# Altium PCB BW1097.PcbDoc (part 6 of 7)
Units mil, origin at the board's own origin, x right, y up, seen from the top; angles counter-clockwise.
Board outline 4330.71 x 2362.21 mil, 6 copper layers (Top Copper, Signal Layer 1, Signal Layer 2, Signal Layer 3, Signal Layer 4, Bottom Copper), stack 62.873 mil thick; 270 components, 263 nets, 1210 pads, 777 vias.
Unrouted connection lines stored in the file: 24.
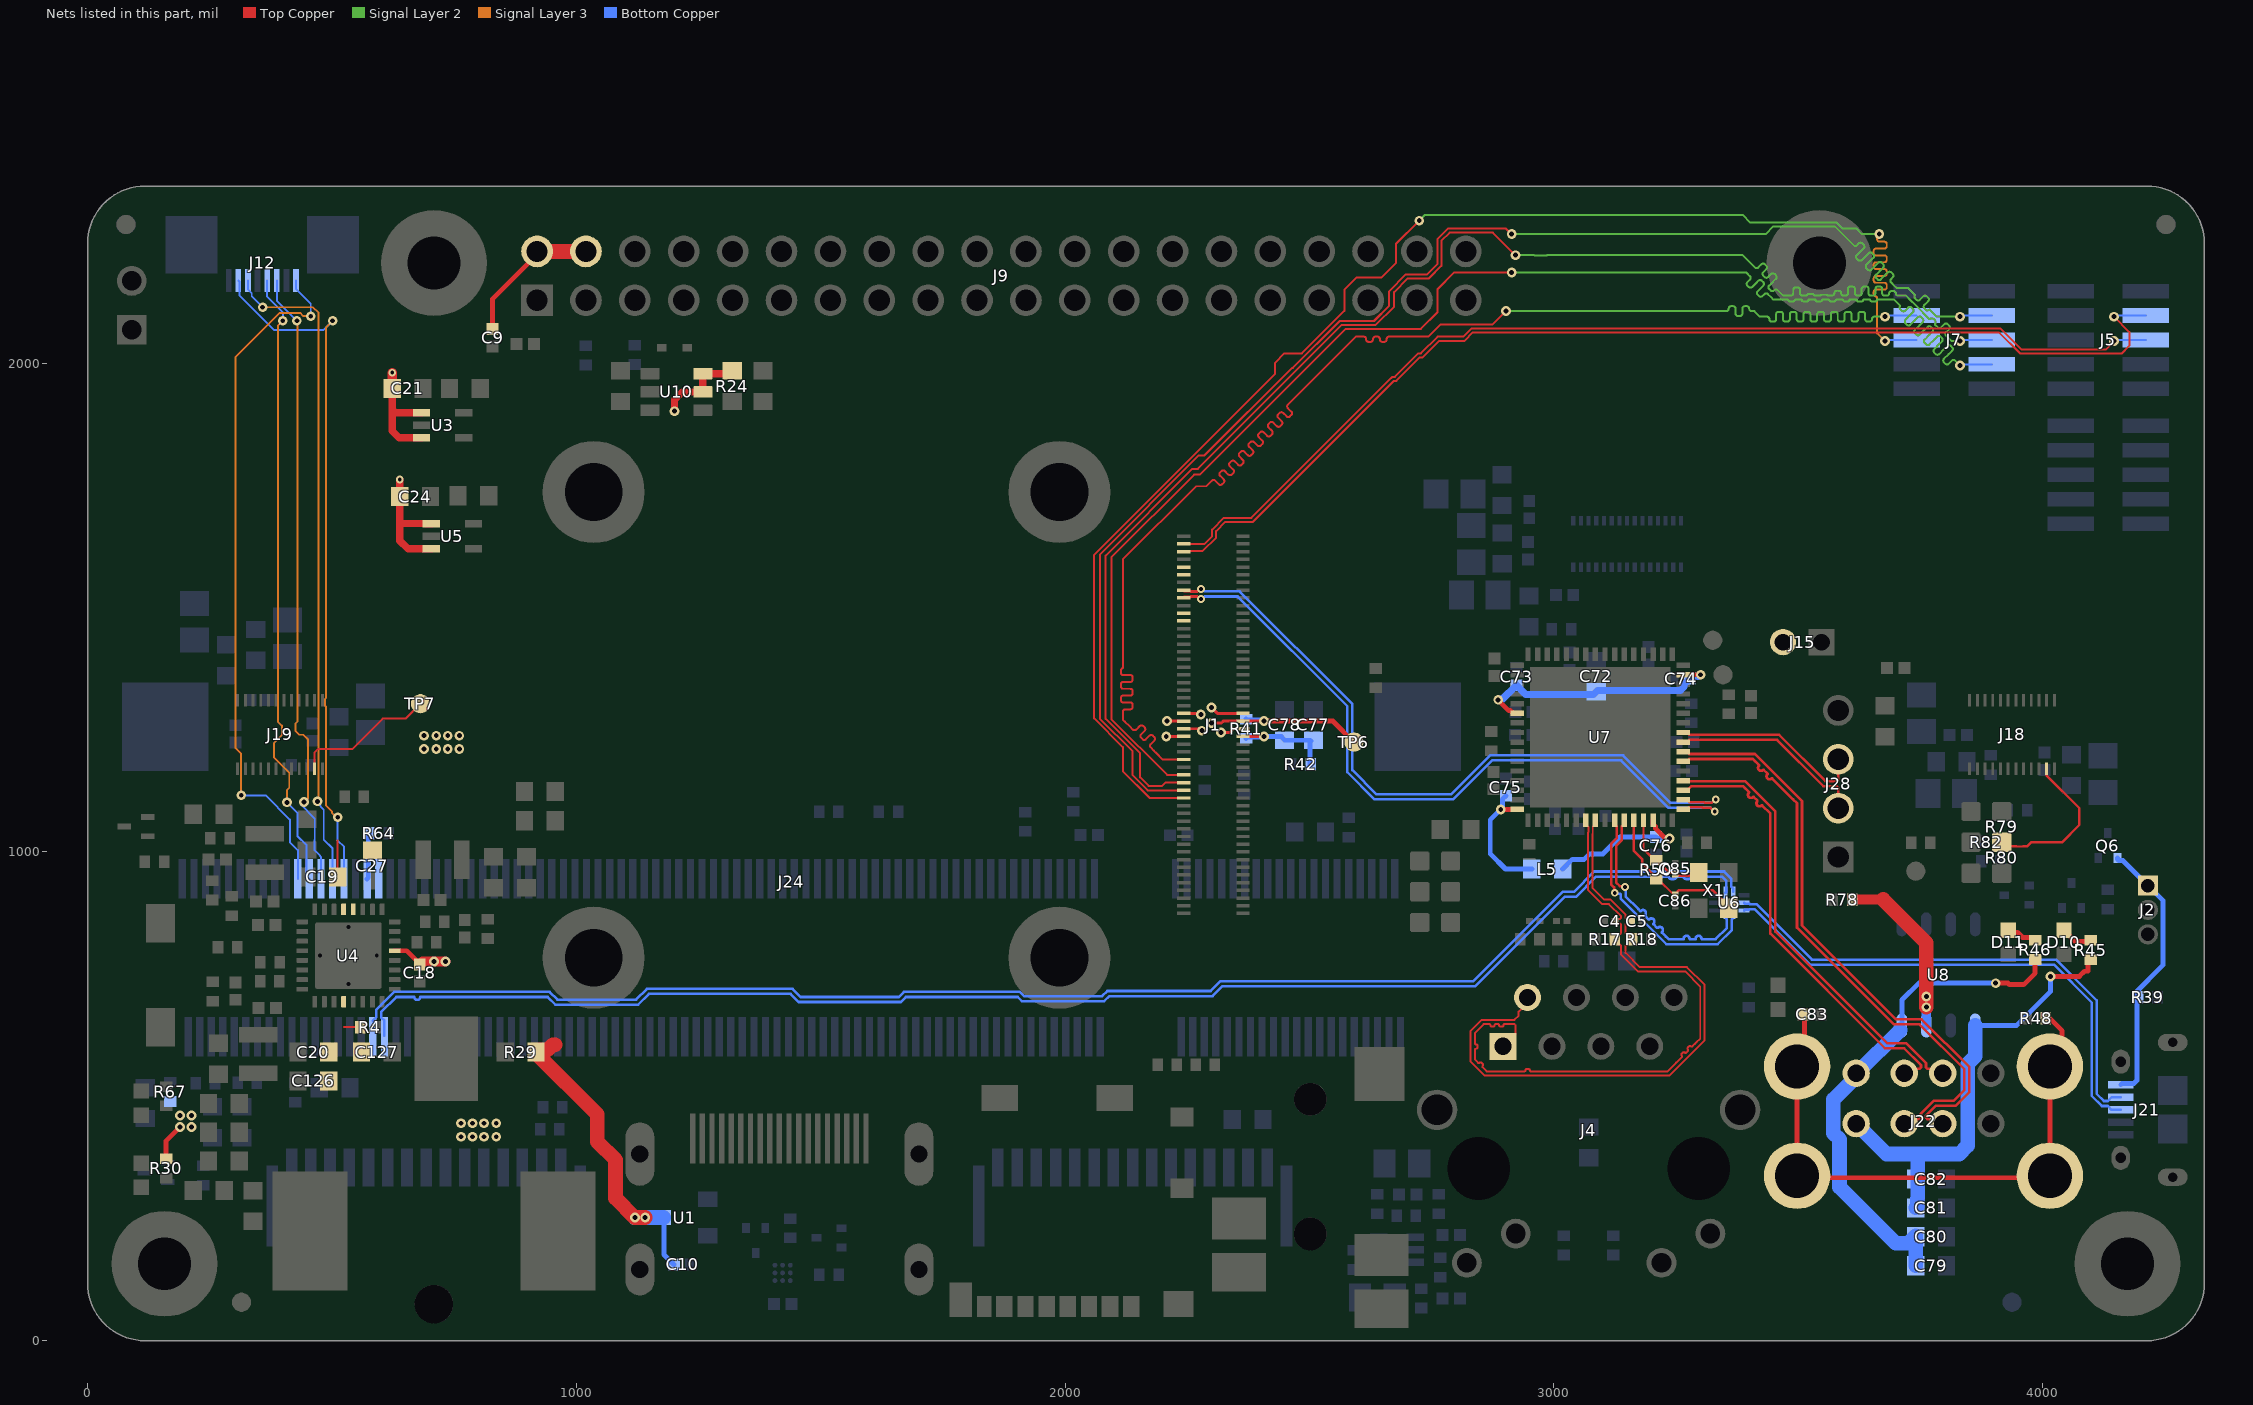
[diagram p10: the nets of this part, all layers, seen from the top]

## Via types
v1: diameter 20, hole 10, Top Copper to Bottom Copper, tented both sides, 657 vias
v2: diameter 16, hole 8, Top Copper to Bottom Copper, tented both sides, 102 vias
v3: diameter 20, hole 10, Top Copper to Bottom Copper, 16 vias
v4: diameter 62.99/0/0/0/0/62.99 (per signal layer), hole 62.99, Top Copper to Bottom Copper, 1 vias
v5: diameter 43.31/50/50/50/50/43.31 (per signal layer), hole 43.31, Top Copper to Bottom Copper, 1 vias

## Nets (pads, with @x,y where several pads share a name; then routed paths per layer and width w, separated by ;. In a path a pad name is that pad's centre, name@x,y a point inside that pad or via, vN(x,y) a via of type N, cw(c..) or ccw(c..) an arc to the next point about the centre after c; other vN are vias at no path point) (continued)
SPI_SIO1: J1.64 J7.4 | length 3061.7
  Top Copper w4: J1.64@2242.52,1157.48 2208.73,1157.48 2094.49,1271.72 2094.49,1602.36 2263.78,1771.65 2275.59,1771.65 2573.99,2070.05 2727.53,2070.05 2761.7,2104.22 2761.7,2151.46 2795.4,2185.17 2913.26,2185.17 v1(2913.39,2185.04)
  Signal Layer 2 w4: v1(2913.39,2185.04) 3393.7,2185.04 3394.5,2184.24 3400.93,2177.81 cw(c3397.47,2174.34) 3400.93,2170.88 3395.57,2165.52 ccw(c3399.04,2162.05) 3395.57,2158.59 3398.54,2155.62 ccw(c3402.01,2159.08) 3405.47,2155.62 3414.3,2164.44 3418.24,2168.38 cw(c3421.7,2164.92) 3425.17,2168.38 3428.14,2165.41 cw(c3424.67,2161.95) 3428.14,2158.48 3424.2,2154.54 3416.57,2146.92 ccw(c3420.04,2143.45) 3416.57,2139.99 3419.54,2137.02 ccw(c3423.01,2140.48) 3426.47,2137.02 3430.63,2141.18 ; 3430.63,2141.18 cw(c3434.1,2137.71) 3437.56,2141.18 3444,2134.75 3448.95,2129.8 3450.8,2129.8 3464.8,2129.8 3478.8,2129.8 ccw(c3482.48,2129.8) 3482.48,2126.11 3489.11,2126.11 ccw(c3489.11,2129.8) 3492.8,2129.8 3506.8,2129.8 ccw(c3510.48,2129.8) 3510.48,2126.11 3517.11,2126.11 ccw(c3517.11,2129.8) 3520.8,2129.8 3534.8,2129.8 ccw(c3538.48,2129.8) 3538.48,2126.11 3545.11,2126.11 ccw(c3545.11,2129.8) 3548.8,2129.8 3562.8,2129.8 ccw(c3566.48,2129.8) 3566.48,2126.11 3573.11,2126.11 ccw(c3573.11,2129.8) 3576.8,2129.8 3590.8,2129.8 ccw(c3594.48,2129.8) 3594.48,2126.11 3601.11,2126.11 ccw(c3601.11,2129.8) 3604.8,2129.8 3618.8,2129.8 ccw(c3622.48,2129.8) 3622.48,2126.11 3629.11,2126.11 ccw(c3629.11,2129.8) 3632.8,2129.8 3646.8,2129.8 ccw(c3650.48,2129.8) 3650.48,2126.11 3657.11,2126.11 ccw(c3657.11,2129.8) 3660.8,2129.8 3674.8,2129.8 3688.8,2129.8 3695.8,2129.8 3698.5,2127.09 3708.4,2117.19 ccw(c3711.86,2113.73) 3708.4,2110.26 3711.37,2107.29 ccw(c3714.83,2110.76) 3718.3,2107.29 3724.55,2113.54 cw(c3728.01,2110.07) 3731.48,2113.54 3734.45,2110.57 cw(c3730.98,2107.1) 3734.45,2103.64 3728.2,2097.39 3719.07,2088.26 ccw(c3722.53,2084.79) 3719.07,2081.33 3722.04,2078.36 ccw(c3725.5,2081.82) 3728.97,2078.36 3738.1,2087.49 3744.35,2093.74 cw(c3747.81,2090.27) 3751.28,2093.74 3754.25,2090.77 cw(c3750.78,2087.3) 3754.25,2083.84 3748,2077.59 3738.29,2067.89 ccw(c3741.76,2064.42) 3738.29,2060.96 3741.26,2057.99 ccw(c3744.73,2061.45) 3748.19,2057.99 3757.9,2067.69 3764.14,2073.94 cw(c3767.61,2070.48) 3771.07,2073.94 3774.04,2070.97 cw(c3770.58,2067.51) 3774.04,2064.04 3767.8,2057.79 3758.09,2048.09 ccw(c3761.56,2044.62) 3758.09,2041.16 3761.06,2038.19 ccw(c3764.53,2041.65) 3767.99,2038.19 3777.7,2047.89 3783.94,2054.14 cw(c3787.41,2050.68) 3790.87,2054.14 3793.84,2051.17 cw(c3790.38,2047.71) 3793.84,2044.24 3787.6,2037.99 3777.89,2028.29 ccw(c3781.35,2024.82) 3777.89,2021.36 3780.86,2018.39 ccw(c3784.32,2021.85) 3787.79,2018.39 3797.5,2028.1 3804.62,2035.22 cw(c3808.09,2031.76) 3811.55,2035.22 3814.52,2032.25 cw(c3811.06,2028.79) 3814.52,2025.32 3807.4,2018.2 3797.69,2008.49 ccw(c3801.15,2005.02) 3797.69,2001.56 3800.66,1998.59 ccw(c3804.12,2002.06) 3807.59,1998.59 3813.83,2004.83 cw(c3817.29,2001.37) 3820.76,2004.83 3822.24,2003.35 v1(3830.71,1994.88)
  Bottom Copper w4: v1(3830.71,1994.88) 3833.07,1997.24 J7.4@3895.67,1997.24
SPI_SIO2: J1.66 J7.6 | length 3062.6
  Top Copper w4: J1.66@2242.52,1141.73 2204.75,1141.73 2198.27,1135.25 2170.73,1135.25 2153.54,1152.44 2153.54,1201.36 2082.68,1272.22 2082.68,1606.3 2259.84,1783.46 2271.65,1783.46 2566.24,2078.05 2635.13,2078.05 2672.73,2115.66 2672.73,2145.17 2700.98,2173.42 2744.29,2173.42 2769.83,2198.97 2769.83,2250.15 2786.51,2266.83 2874.91,2266.83 v1(2921.01,2220.72)
  Signal Layer 2 w4: v1(2921.01,2220.72) 2959.38,2220.72 2959.64,2220.47 2985.25,2220.47 2985.5,2220.72 3386.08,2220.72 3405.76,2201.04 3411.1,2195.71 ccw(c3414.56,2199.17) 3418.03,2195.71 3424.41,2202.09 cw(c3427.87,2198.62) 3431.33,2202.09 3434.3,2199.12 cw(c3430.84,2195.65) 3434.3,2192.19 3427.93,2185.81 ccw(c3431.39,2182.34) 3427.93,2178.88 3430.9,2175.91 ccw(c3434.36,2179.37) 3437.82,2175.91 3444.2,2182.29 cw(c3447.67,2178.82) 3451.13,2182.29 3454.1,2179.32 cw(c3450.64,2175.85) 3454.1,2172.39 3444.26,2162.54 3440.15,2158.43 ccw(c3443.61,2154.97) 3440.15,2151.5 3443.12,2148.53 ccw(c3446.58,2152) 3450.05,2148.53 3450.69,2149.18 cw(c3454.16,2145.71) 3457.62,2149.18 3464.06,2142.75 3469.01,2137.8 3475.47,2137.8 3484.57,2137.8 ccw(c3484.57,2142.7) 3489.47,2142.7 3489.47,2149.77 cw(c3494.37,2149.77) 3494.37,2154.67 3498.57,2154.67 cw(c3498.57,2149.77) 3503.47,2149.77 3503.47,2142.7 ccw(c3508.37,2142.7) 3508.37,2137.8 3517.47,2137.8 cw(c3521.11,2137.8) 3521.11,2141.44 3527.83,2141.44 cw(c3527.83,2137.8) 3531.47,2137.8 3545.47,2137.8 cw(c3547.48,2137.8) 3547.48,2139.8 3557.47,2139.8 cw(c3557.47,2137.8) 3559.47,2137.8 3568.57,2137.8 ccw(c3568.57,2142.7) 3573.47,2142.7 3573.47,2143.02 cw(c3578.37,2143.02) 3578.37,2147.92 3582.57,2147.92 cw(c3582.57,2143.02) 3587.47,2143.02 3587.47,2142.7 ccw(c3592.37,2142.7) 3592.37,2137.8 3596.57,2137.8 ccw(c3596.57,2142.7) 3601.47,2142.7 3601.47,2151.72 cw(c3606.37,2151.72) 3606.37,2156.62 3610.57,2156.62 cw(c3610.57,2151.72) 3615.47,2151.72 3615.47,2142.7 ccw(c3620.37,2142.7) 3620.37,2137.8 3624.57,2137.8 ccw(c3624.57,2142.7) 3629.47,2142.7 3629.47,2151.72 cw(c3634.37,2151.72) 3634.37,2156.62 3638.57,2156.62 cw(c3638.57,2151.72) 3643.47,2151.72 3643.47,2142.7 ccw(c3648.37,2142.7) 3648.37,2137.8 3652.57,2137.8 ccw(c3652.57,2142.7) 3657.47,2142.7 3657.47,2151.72 cw(c3662.37,2151.72) 3662.37,2156.62 3666.57,2156.62 cw(c3666.57,2151.72) 3671.47,2151.72 3671.47,2142.7 ccw(c3676.37,2142.7) 3676.37,2137.8 3681.03,2137.8 ccw(c3681.03,2142.24) 3685.47,2142.24 cw(c3690.37,2142.24) 3690.37,2147.14 3694.57,2147.14 cw(c3694.57,2142.24) 3699.47,2142.24 ccw(c3703.92,2142.24) 3703.92,2137.8 3713.47,2137.8 3720.47,2137.8 3729.24,2129.03 3739.14,2119.13 3749.04,2109.23 3758.94,2099.33 3768.12,2090.15 ccw(c3768.84,2090.87) 3769.56,2090.15 cw(c3773.02,2086.69) 3776.49,2090.15 3779.46,2087.18 cw(c3775.99,2083.72) 3779.46,2080.25 ccw(c3780.18,2079.53) 3779.46,2078.81 3785.17,2073.1 ccw(c3788.64,2076.56) 3792.1,2073.1 3798.48,2079.47 cw(c3801.95,2076.01) 3805.41,2079.47 3808.38,2076.51 cw(c3804.92,2073.04) 3808.38,2069.58 3802,2063.2 ccw(c3805.47,2059.73) 3802,2056.27 3808.44,2049.83 3813.39,2044.88 v1(3830.71,2044.88)
  Bottom Copper w4: v1(3830.71,2044.88) 3833.07,2047.24 J7.6@3895.67,2047.24
SPI_SIO3: J1.68 J7.8 | length 3050.6
  Top Copper w4: J1.68@2242.52,1125.98 2168.69,1125.98 2137.8,1156.88 2137.8,1205.79 2070.87,1272.72 2070.87,1608.29 2273.6,1811.02 2285.05,1811.02 2464.07,1990.04 2465.75,1990.04 2561.76,2086.05 2631.81,2086.05 2662.67,2116.91 2662.67,2146.92 2697.17,2181.42 2740.48,2181.42 2761.83,2202.78 2761.83,2253.96 2782.7,2274.83 2901.81,2274.83 2912.85,2263.78 v1(2913.39,2263.78)
  Signal Layer 2 w4: v1(2913.39,2263.78) 3433.07,2263.78 3448.82,2279.53 3574.8,2279.53 3614.17,2240.16 ccw(c3616.64,2242.63) 3619.11,2240.16 3623.77,2244.82 cw(c3627.24,2241.35) 3630.7,2244.82 3633.67,2241.85 cw(c3630.21,2238.39) 3633.67,2234.92 3626.54,2227.79 3619.41,2220.66 ccw(c3622.88,2217.19) 3619.41,2213.73 3622.38,2210.76 ccw(c3625.85,2214.22) 3629.31,2210.76 3636.44,2217.89 3643.57,2225.02 cw(c3647.04,2221.56) 3650.5,2225.02 3653.47,2222.05 cw(c3650.01,2218.59) 3653.47,2215.12 3646.34,2207.99 3639.21,2200.86 ccw(c3642.67,2197.4) 3639.21,2193.93 3642.18,2190.96 ccw(c3645.64,2194.43) 3649.11,2190.96 3656.24,2198.09 3663.37,2205.22 cw(c3666.84,2201.76) 3670.3,2205.22 3673.27,2202.25 cw(c3669.81,2198.79) 3673.27,2195.32 3666.14,2188.19 3659.01,2181.06 ccw(c3662.47,2177.6) 3659.01,2174.13 3661.98,2171.16 ccw(c3665.44,2174.63) 3668.91,2171.16 3676.04,2178.29 3683.17,2185.42 cw(c3686.63,2181.96) 3690.1,2185.42 3693.07,2182.45 cw(c3689.6,2178.99) 3693.07,2175.52 3689.4,2171.86 ccw(c3692.87,2168.39) 3689.4,2164.93 3695.84,2158.49 3700.79,2153.54 3724.41,2153.54 3728.62,2149.33 3737.8,2140.15 cw(c3737.08,2139.43) 3737.8,2138.71 3738.52,2139.43 ccw(c3741.99,2135.97) 3738.52,2132.5 3741.49,2129.53 ccw(c3744.96,2133) 3748.42,2129.53 3755.55,2136.66 cw(c3759.02,2133.2) 3762.48,2136.66 3765.45,2133.69 cw(c3761.99,2130.23) 3765.45,2126.76 3758.32,2119.63 3757.6,2118.91 ccw(c3761.07,2115.44) 3757.6,2111.98 3760.57,2109.01 ccw(c3764.04,2112.47) 3767.5,2109.01 cw(c3768.22,2108.29) 3768.94,2109.01 3778.12,2099.83 3783.07,2094.88 3785.89,2094.88 3799.89,2094.88 3806.89,2094.88 v1(3830.71,2094.88)
  Bottom Copper w4: v1(3830.71,2094.88) 3833.07,2097.24 J7.8@3895.67,2097.24
SPI_SS_0: J1.70 J7.5 | length 3058.1
  Top Copper w4: J1.70@2242.52,1110.24 2173.12,1110.24 2118.11,1165.25 2118.11,1214.16 2059.06,1273.22 2059.06,1607.79 2429.39,1978.12 2429.39,2000.62 2448.46,2019.69 2484.08,2019.69 2570.99,2106.6 2570.99,2149.73 2596.44,2175.18 2647.62,2175.18 2676.68,2204.24 2676.68,2243.61 v1(2724.41,2291.34)
  Signal Layer 2 w4: v1(2724.41,2291.34) 2736.09,2303.02 3385.95,2303.02 3401.45,2287.53 3578.12,2287.53 3590.05,2275.59 3618.11,2275.59 3629.92,2263.78 v1(3665.35,2263.78)
  Signal Layer 3 w4: v1(3665.35,2263.78) 3661.17,2259.59 3662.29,2258.46 3662.29,2256.39 3661.17,2255.26 3661.17,2253.16 ccw(c3666.07,2253.16) 3666.07,2248.26 3675.88,2248.26 cw(c3675.88,2243.36) 3680.78,2243.36 3680.78,2239.16 cw(c3675.88,2239.16) 3675.88,2234.26 3661.17,2234.26 3658.95,2234.26 ccw(c3658.95,2229.36) 3654.05,2229.36 3654.05,2225.16 ccw(c3658.95,2225.16) 3658.95,2220.26 3661.17,2220.26 3675.88,2220.26 cw(c3675.88,2215.36) 3680.78,2215.36 3680.78,2211.16 cw(c3675.88,2211.16) 3675.88,2206.26 3661.17,2206.26 3658.95,2206.26 ccw(c3658.95,2201.36) 3654.05,2201.36 3654.05,2197.16 ccw(c3658.95,2197.16) 3658.95,2192.26 3661.17,2192.26 3675.88,2192.26 cw(c3675.88,2187.36) 3680.78,2187.36 3680.78,2183.16 cw(c3675.88,2183.16) 3675.88,2178.26 3661.17,2178.26 3658.95,2178.26 ccw(c3658.95,2173.36) 3654.05,2173.36 3654.05,2169.16 ccw(c3658.95,2169.16) 3658.95,2164.26 3661.17,2164.26 3675.88,2164.26 cw(c3675.88,2159.36) 3680.78,2159.36 3680.78,2155.16 cw(c3675.88,2155.16) 3675.88,2150.26 3661.17,2150.26 3658.95,2150.26 ccw(c3658.95,2145.36) 3654.05,2145.36 3654.05,2141.16 ccw(c3658.95,2141.16) 3658.95,2136.26 3658.58,2136.26 cw(c3658.57,2133.66) 3661.17,2133.66 3661.17,2094.49 3661.17,2060.88 v1(3677.17,2044.88)
  Bottom Copper w4: v1(3677.17,2044.88) 3679.53,2047.24 J7.5@3742.13,2047.24
SPI_SS_1: J1.60 J7.7 | length 3061.7
  Top Copper w4: J1.60@2242.52,1188.98 2242.37,1188.83 2200.02,1188.83 2186.55,1202.29 2181.6,1207.24 2175.16,1213.68 cw(c2178.63,1217.14) 2175.16,1220.61 2182.37,1227.82 ccw(c2178.91,1231.29) 2182.37,1234.75 2179.4,1237.72 ccw(c2175.94,1234.26) 2172.47,1237.72 2165.26,1230.51 cw(c2161.8,1233.97) 2158.33,1230.51 2155.36,1233.48 cw(c2158.83,1236.94) 2155.36,1240.41 2162.58,1247.62 ccw(c2159.11,1251.08) 2162.58,1254.55 2159.61,1257.52 ccw(c2156.14,1254.05) 2152.68,1257.52 2145.46,1250.31 cw(c2142,1253.77) 2138.53,1250.31 2132.1,1256.74 2122.2,1266.64 2118.11,1270.73 2118.11,1277.73 2118.11,1286.83 cw(c2123.01,1286.83) 2123.01,1291.73 2133.21,1291.73 ccw(c2133.21,1296.63) 2138.11,1296.63 2138.11,1300.83 ccw(c2133.21,1300.83) 2133.21,1305.73 2118.11,1305.73 cw(c2118.11,1309.54) 2114.3,1309.54 2114.3,1315.92 cw(c2118.11,1315.92) 2118.11,1319.73 2133.21,1319.73 ccw(c2133.21,1324.63) 2138.11,1324.63 2138.11,1328.83 ccw(c2133.21,1328.83) 2133.21,1333.73 2118.11,1333.73 cw(c2118.11,1337.54) 2114.3,1337.54 2114.3,1343.92 cw(c2118.11,1343.92) 2118.11,1347.73 2133.21,1347.73 ccw(c2133.21,1352.63) 2138.11,1352.63 2138.11,1356.83 ccw(c2133.21,1356.83) 2133.21,1361.73 2118.11,1361.73 cw(c2118.11,1365.54) 2114.3,1365.54 2114.3,1371.92 cw(c2118.11,1371.92) 2118.11,1375.73 2118.11,1377.95 2118.11,1401.57 2118.11,1598.43 2267.72,1748.03 2288.7,1748.03 2293.65,1752.98 2300.08,1759.42 cw(c2303.55,1755.95) 2307.01,1759.42 2314.23,1752.2 ccw(c2317.69,1755.67) 2321.16,1752.2 2324.13,1755.17 ccw(c2320.66,1758.64) 2324.13,1762.1 2316.91,1769.32 cw(c2320.38,1772.78) 2316.91,1776.25 2319.88,1779.22 cw(c2323.35,1775.75) 2326.81,1779.22 2334.02,1772 ccw(c2337.49,1775.47) 2340.95,1772 2343.92,1774.97 ccw(c2340.46,1778.44) 2343.92,1781.9 2336.71,1789.11 cw(c2340.18,1792.58) 2336.71,1796.04 2339.68,1799.01 cw(c2343.15,1795.55) 2346.61,1799.01 2353.82,1791.8 ccw(c2357.29,1795.27) 2360.75,1791.8 2363.72,1794.77 ccw(c2360.26,1798.24) 2363.72,1801.7 2356.51,1808.91 cw(c2359.98,1812.38) 2356.51,1815.84 2359.48,1818.81 cw(c2362.95,1815.35) 2366.41,1818.81 2373.62,1811.6 ccw(c2377.09,1815.07) 2380.55,1811.6 2383.52,1814.57 ccw(c2380.06,1818.04) 2383.52,1821.5 2376.31,1828.71 cw(c2379.77,1832.18) 2376.31,1835.64 2379.28,1838.61 cw(c2382.74,1835.15) 2386.21,1838.61 2393.42,1831.4 ccw(c2396.89,1834.86) 2400.35,1831.4 2403.32,1834.37 ccw(c2399.86,1837.83) 2403.32,1841.3 2396.11,1848.51 cw(c2399.57,1851.98) 2396.11,1855.44 2399.08,1858.41 cw(c2402.54,1854.95) 2406.01,1858.41 2413.22,1851.2 ccw(c2416.69,1854.66) 2420.15,1851.2 2423.12,1854.17 ccw(c2419.66,1857.63) 2423.12,1861.1 2415.91,1868.31 cw(c2419.37,1871.78) 2415.91,1875.24 2418.88,1878.21 cw(c2422.34,1874.75) 2425.81,1878.21 2433.02,1871 ccw(c2436.48,1874.46) 2439.95,1871 2442.92,1873.97 ccw(c2439.45,1877.43) 2442.92,1880.9 2435.71,1888.11 cw(c2439.17,1891.57) 2435.71,1895.04 2438.68,1898.01 cw(c2442.14,1894.54) 2445.61,1898.01 2452.82,1890.8 ccw(c2456.28,1894.26) 2459.75,1890.8 2462.72,1893.77 ccw(c2459.25,1897.23) 2462.72,1900.7 2455.51,1907.91 cw(c2458.97,1911.37) 2455.51,1914.84 2461.28,1920.61 2594.72,2054.05 2601.72,2054.05 2610.82,2054.05 cw(c2610.82,2049.15) 2615.72,2049.15 2615.72,2048.38 ccw(c2620.62,2048.38) 2620.62,2043.48 2624.82,2043.48 ccw(c2624.82,2048.38) 2629.72,2048.38 2629.72,2049.15 cw(c2634.62,2049.15) 2634.62,2054.05 2638.82,2054.05 cw(c2638.82,2049.15) 2643.72,2049.15 2643.72,2048.38 ccw(c2648.62,2048.38) 2648.62,2043.48 2652.82,2043.48 ccw(c2652.82,2048.38) 2657.72,2048.38 2657.72,2049.15 cw(c2662.62,2049.15) 2662.62,2054.05 2685.04,2054.05 2743.03,2054.05 2767.72,2078.74 2820.87,2078.74 2874.02,2078.74 v1(2901.58,2106.3)
  Signal Layer 2 w4: v1(2901.58,2106.3) 3350.39,2106.3 3352.49,2106.3 ccw(c3352.49,2111.2) 3357.39,2111.2 3357.39,2111.4 cw(c3362.29,2111.4) 3362.29,2116.3 3366.49,2116.3 cw(c3366.49,2111.4) 3371.39,2111.4 3371.39,2106.3 3371.39,2101.2 ccw(c3376.29,2101.2) 3376.29,2096.3 3380.49,2096.3 ccw(c3380.49,2101.2) 3385.39,2101.2 3385.39,2106.3 3385.39,2111.4 cw(c3390.29,2111.4) 3390.29,2116.3 3394.49,2116.3 cw(c3394.49,2111.4) 3399.39,2111.4 3399.39,2111.2 ccw(c3404.29,2111.2) 3404.29,2106.3 3409.84,2106.3 3421.26,2094.88 3426.48,2094.88 3435.58,2094.88 cw(c3435.58,2089.98) 3440.48,2089.98 3440.48,2089.78 ccw(c3445.38,2089.78) 3445.38,2084.88 3449.58,2084.88 ccw(c3449.58,2089.78) 3454.48,2089.78 3454.48,2094.88 3454.48,2099.98 cw(c3459.38,2099.98) 3459.38,2104.88 3463.58,2104.88 cw(c3463.58,2099.98) 3468.48,2099.98 3468.48,2094.88 3468.48,2089.78 ccw(c3473.38,2089.78) 3473.38,2084.88 3477.58,2084.88 ccw(c3477.58,2089.78) 3482.48,2089.78 3482.48,2094.88 3482.48,2099.98 cw(c3487.38,2099.98) 3487.38,2104.88 3491.58,2104.88 cw(c3491.58,2099.98) 3496.48,2099.98 3496.48,2094.88 3496.48,2089.78 ccw(c3501.38,2089.78) 3501.38,2084.88 3505.58,2084.88 ccw(c3505.58,2089.78) 3510.48,2089.78 3510.48,2094.88 3510.48,2099.98 cw(c3515.38,2099.98) 3515.38,2104.88 3519.58,2104.88 cw(c3519.58,2099.98) 3524.48,2099.98 3524.48,2094.88 3524.48,2089.78 ccw(c3529.38,2089.78) 3529.38,2084.88 3533.58,2084.88 ccw(c3533.58,2089.78) 3538.48,2089.78 3538.48,2094.88 3538.48,2099.98 cw(c3543.38,2099.98) 3543.38,2104.88 3547.58,2104.88 cw(c3547.58,2099.98) 3552.48,2099.98 3552.48,2094.88 3552.48,2089.78 ccw(c3557.38,2089.78) 3557.38,2084.88 3561.58,2084.88 ccw(c3561.58,2089.78) 3566.48,2089.78 3566.48,2094.88 3566.48,2099.98 cw(c3571.38,2099.98) 3571.38,2104.88 3575.58,2104.88 cw(c3575.58,2099.98) 3580.48,2099.98 3580.48,2094.88 3580.48,2089.78 ccw(c3585.38,2089.78) 3585.38,2084.88 3589.58,2084.88 ccw(c3589.58,2089.78) 3594.48,2089.78 3594.48,2094.88 3594.48,2099.98 cw(c3599.38,2099.98) 3599.38,2104.88 3603.58,2104.88 cw(c3603.58,2099.98) 3608.48,2099.98 3608.48,2094.88 3608.48,2089.78 ccw(c3613.38,2089.78) 3613.38,2084.88 3617.58,2084.88 ccw(c3617.58,2089.78) 3622.48,2089.78 3622.48,2094.88 3622.48,2099.98 cw(c3627.38,2099.98) 3627.38,2104.88 3631.58,2104.88 cw(c3631.58,2099.98) 3636.48,2099.98 3636.48,2094.88 3636.48,2089.78 ccw(c3641.38,2089.78) 3641.38,2084.88 3645.58,2084.88 ccw(c3645.58,2089.78) 3650.48,2089.78 3650.48,2089.98 cw(c3655.38,2089.98) 3655.38,2094.88 3657.48,2094.88 v1(3677.17,2094.88)
  Bottom Copper w4: v1(3677.17,2094.88) 3679.53,2097.24 J7.7@3742.13,2097.24
STRB2: J19.14 TP7.1 | length 285.7
  Top Copper w4: J19.14@464.57,1175.59 464.57,1203.45 472.06,1210.94 542.28,1210.94 603.87,1272.54 650.49,1272.54 TP7.1@681.1,1303.15
STROBE1: J18.14 R79.2 R80.1 R82.2 | length 328.2
  Top Copper w5: R82.2@3916.2,1019.49 3923.88,1011.81 3945.16,1011.81 3945.91,1011.06 3959.58,1011.06 3960.34,1011.81 3968.5,1011.81 3976.18,1019.49 4039.04,1019.49 4074.53,1054.99 4074.53,1089.73 4007.87,1156.39 J18.14@4007.87,1175.59
TVDAC: J24.166
TX_N: C5.2 J4.2 R18.1 U7.56 | length 1381.4
  Top Copper w3.96: 3115.93,902.25 3146.21,871.97 3146.21,864.91 3148.53,862.59 3153.95,862.59 C5.2@3158.27,858.27 3153.95,853.95 3148.53,853.95 3146.21,851.63 3146.21,847.56 3146.4,847.37 3146.4,834.34 3148.72,832.03 3150.91,832.03 3159.76,823.18 3159.76,819.24 3150.91,810.39 3148.73,810.39 3146.41,808.07 3146.41,793.43 3175.52,764.32 ; 3175.54,764.34 3184.52,764.34
  Top Copper w4: J4.2@2945.87,702.26 2945.87,691.37 2927.58,673.09 2927.58,665.03 2919.08,656.53 2852.47,656.53 2829.58,633.65 2829.58,571.08 2858.48,542.18 3236.01,542.18 3308.21,614.38 3308.21,728.14 3272.01,764.34 3184.52,764.34 ; U7.56@3084.65,1064.79 3084.65,1056.72 3079.3,1051.37 3079.3,1036.63 3078.49,1035.82 3078.49,926.19 3102.42,902.25 3115.93,902.25
TX_P: C4.2 J4.1 R17.1 U7.55 | length 1376.6
  Top Copper w3.96: 3112.2,893.25 3112.26,893.25 3137.25,868.26 3137.25,864.91 3134.94,862.59 3129.52,862.59 C4.2@3125.2,858.27 3129.52,853.95 3134.94,853.95 3137.25,851.63 3137.25,843.85 3137.45,843.66 3137.45,834.34 3135.13,832.02 3132.94,832.02 3124.1,823.17 3124.1,819.24 3132.94,810.39 3135.13,810.39 3137.45,808.07 3137.45,789.72 3171.81,755.37 3175.52,755.37 ; 3175.54,755.34 3184.52,755.34
  Top Copper w4: J4.1@2895.87,602.26 2921.43,627.82 2921.43,645.19 2919.08,647.53 2901.57,647.53 2898.54,647.53 ccw(c2898.54,645.68) 2896.69,645.68 cw(c2893.54,645.68) 2893.54,642.53 2890.84,642.53 cw(c2890.84,645.68) 2887.69,645.68 ccw(c2885.84,645.68) 2885.84,647.53 2880.54,647.53 ccw(c2880.54,645.68) 2878.69,645.68 cw(c2875.54,645.68) 2875.54,642.53 2872.84,642.53 cw(c2872.84,645.68) 2869.69,645.68 ccw(c2867.84,645.68) 2867.84,647.53 2860.69,647.53 2856.19,647.53 2838.58,629.92 2838.58,624.3 2838.58,615.3 2838.58,608.15 ccw(c2840.43,608.15) 2840.43,606.3 cw(c2840.43,603.15) 2843.58,603.15 2843.58,600.45 cw(c2840.43,600.45) 2840.43,597.3 ccw(c2840.43,595.45) 2838.58,595.45 2838.58,588.3 2838.58,579.3 2838.58,574.8 2839.93,573.45 2844.99,568.4 ccw(c2846.3,569.71) 2847.6,568.4 cw(c2849.83,566.17) 2852.06,568.4 2853.97,566.49 cw(c2851.74,564.26) 2853.97,562.04 ccw(c2855.28,560.73) 2853.97,559.42 2859.02,554.36 2862.2,551.18 2937.01,551.18 2939.66,551.18 ccw(c2939.66,553.03) 2941.51,553.03 cw(c2944.66,553.03) 2944.66,556.18 2947.36,556.18 cw(c2947.36,553.03) 2950.51,553.03 ccw(c2952.36,553.03) 2952.36,551.18 3078.74,551.18 3232.28,551.18 3250,568.9 3256.34,575.23 3261.39,580.29 ccw(c3260.08,581.6) 3261.39,582.91 cw(c3263.62,585.13) 3261.39,587.36 3263.3,589.27 cw(c3265.53,587.04) 3267.76,589.27 ccw(c3269.06,590.58) 3270.37,589.27 3274.12,593.02 ccw(c3272.81,594.33) 3274.12,595.63 cw(c3276.35,597.86) 3274.12,600.09 3276.03,602 cw(c3278.26,599.77) 3280.48,602 ccw(c3281.79,603.31) 3283.1,602 3288.16,607.05 3291.34,610.24 3299.21,618.11 3299.21,724.41 3268.28,755.34 3184.52,755.34 ; U7.55@3064.96,1064.79 3064.96,1056.72 3070.3,1051.37 3070.3,1040.36 3069.49,1039.55 3069.49,922.46 3098.7,893.25 3112.2,893.25
UART_RX: J1.4 J5.6 | length 2185.4
  Top Copper w4: J1.4@2241.69,1630.02 2241.94,1629.77 2284.34,1629.77 2300.71,1646.14 2300.71,1659.43 2324.54,1683.26 2380.93,1683.26 2667.19,1969.52 ; 2667.19,1969.54 2669.39,1971.74 2674.36,1971.74 2722.26,2019.64 2727.8,2019.64 2762.05,2053.89 2814.23,2053.89 2830.95,2070.61 3913.64,2070.61 3956.69,2027.56 4128.35,2027.56 v1(4145.67,2044.88)